# KiCad board pcb.kicad_pcb
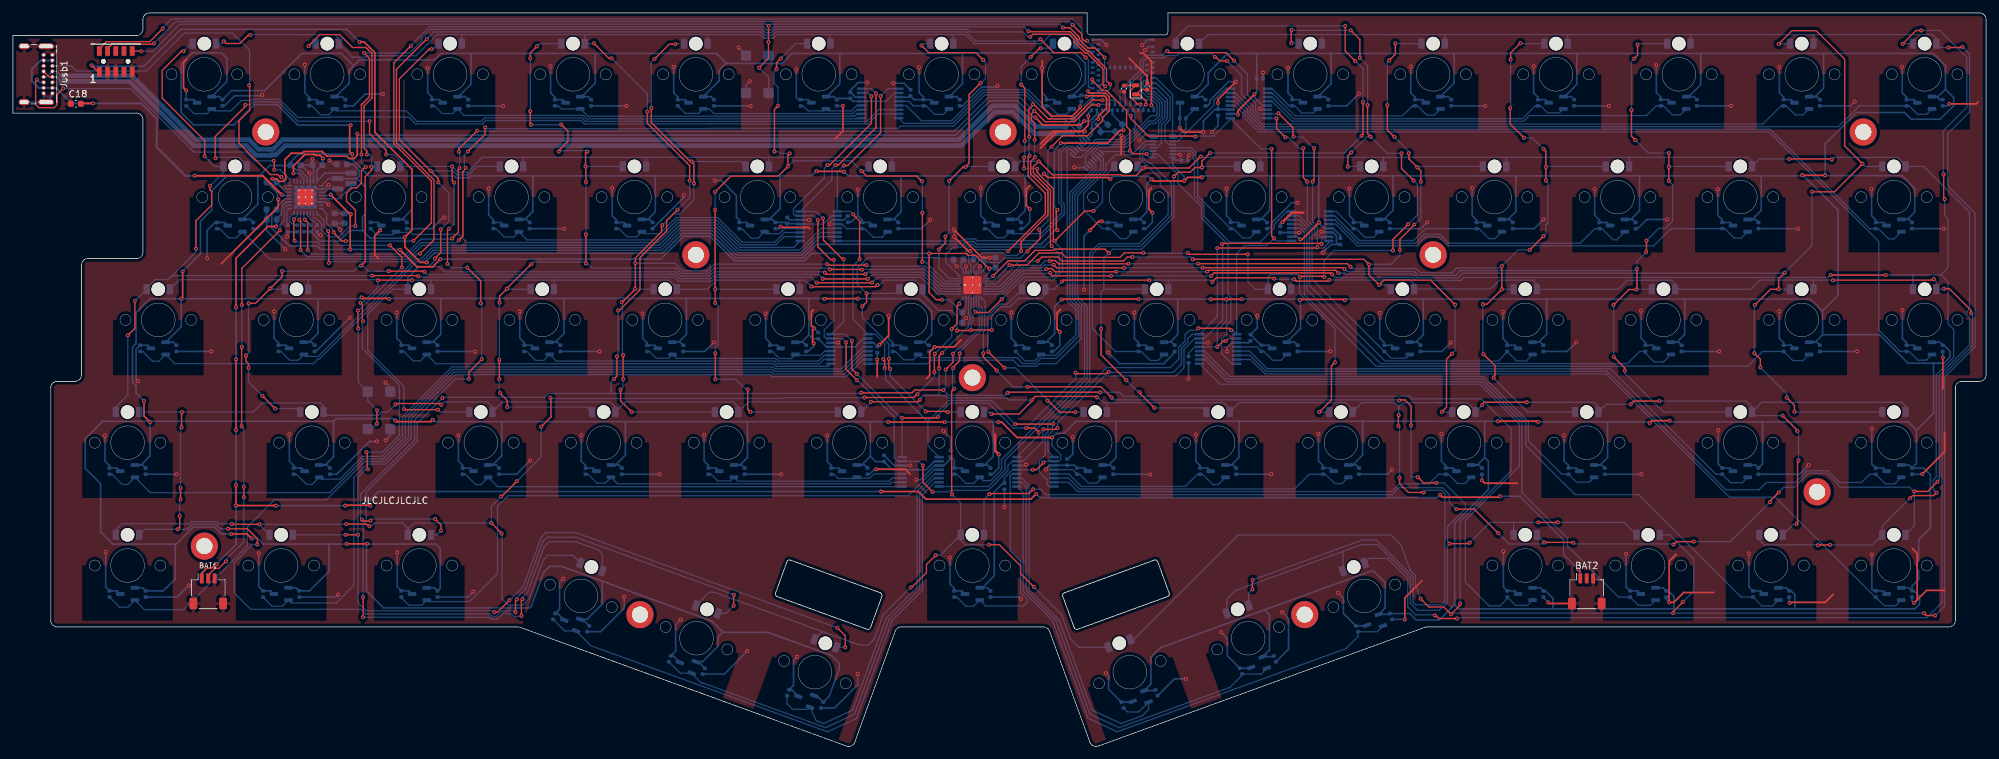
[diagram p0: board, top side]
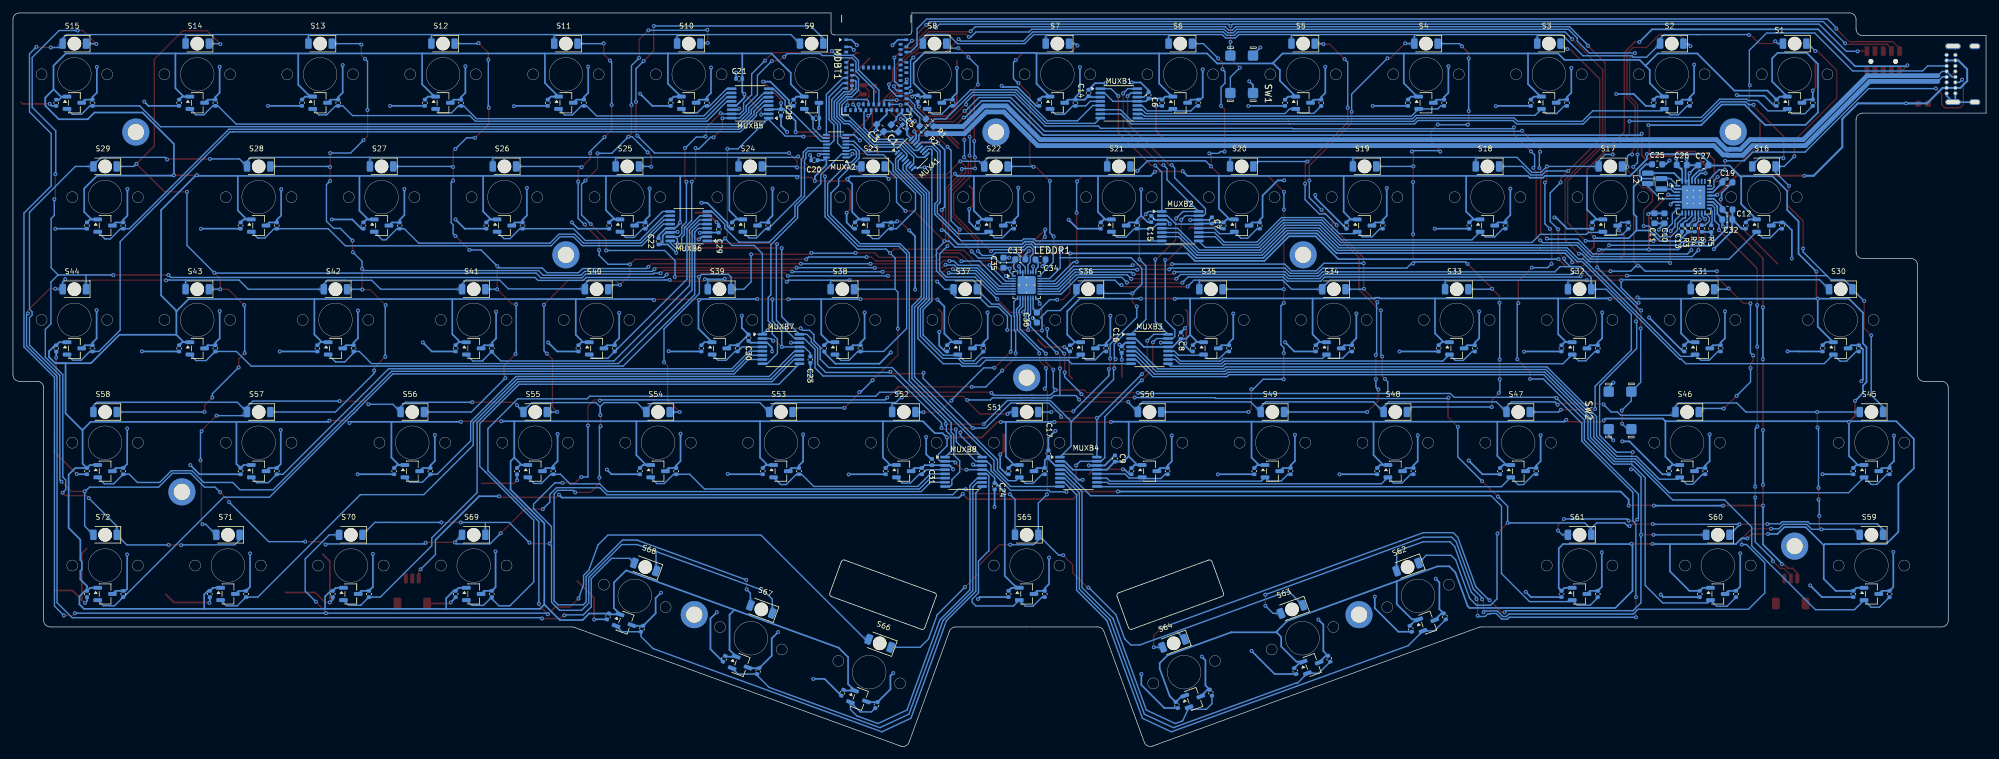
[diagram p1: board, bottom side, seen from below]

Outline 305.1 x 113.44 mm; copper layers: Top, Bottom. Coordinates in mm from the lower left corner of the outline.
Outline path: 0,109.94 19.1,109.94 arc(19.81,110.23) 20.1,110.94 20.1,112.44 arc(20.39,113.14) 21.1,113.44 166.1,113.44 166.1,110.54 arc(166.25,110.18) 166.6,110.04 178.1,110.04 arc(178.45,110.18) 178.6,110.54 178.6,113.44 304.1,113.44 arc(304.81,113.14) 305.1,112.44 305.1,57.44 arc(304.81,56.73) 304.1,56.44 301.35,56.44 arc(300.64,56.14) 300.35,55.44 300.35,19.44 arc(300.06,18.73) 299.35,18.44 218.64,18.44 arc(218.47,18.42) 218.3,18.38 167.82,0 arc(167.05,0.03) 166.53,0.6 160.28,17.78 arc(159.92,18.25) 159.34,18.44 137.36,18.44 arc(136.78,18.25) 136.42,17.78 130.17,0.6 arc(129.65,0.03) 128.88,0 78.4,18.38 arc(78.23,18.42) 78.06,18.44 6.85,18.44 arc(6.14,18.73) 5.85,19.44 5.85,55.44 arc(6.14,56.14) 6.85,56.44 9.6,56.44 arc(10.31,56.73) 10.6,57.44 10.6,74.44 arc(10.89,75.14) 11.6,75.44 19.1,75.44 arc(19.81,75.73) 20.1,76.44 20.1,96.94 arc(19.81,97.64) 19.1,97.94 0,97.94 0,109.94
Stack: Top 0.035mm / dielectric 1.51mm FR4 er 4.5 / Bottom 0.035mm

## Placement (name value [footprint] x y rotation side)
BAT1  ~  [JST_SH_SM03B-SRSS-TB_1x03-1MP_P1.00mm_Horizontal]  30.19 23.94 0 top
BAT2  ~  [JST_SH_SM03B-SRSS-TB_1x03-1MP_P1.00mm_Horizontal]  243.35 23.94 0 top
C1  10uF  [C_0603_1608Metric]  168.75 95.58 225 bottom
C2  12pF  [C_0402_1005Metric]  175.4 102.06 90 top
C3  10uF  [C_0603_1608Metric]  171 95.64 225 bottom
C4  12pF  [C_0402_1005Metric]  171.8 101.72 270 top
C5  .1uF  [C_0402_1005Metric]  167.2 95.84 225 bottom
C6  .1uF  [C_0402_1005Metric]  129.48 100.69 270 bottom
C7  .1uF  [C_0402_1005Metric]  119.71 81.33 270 bottom
C8  .1uF  [C_0402_1005Metric]  124.52 63.51 270 bottom
C9  .1uF  [C_0402_1005Metric]  134.7 44.5 270 bottom
C10  10uF  [C_0603_1608Metric]  49.73 81.65 270 bottom
C11  10uF  [C_0603_1608Metric]  51.28 81.66 270 bottom
C12  10uF  [C_0603_1608Metric]  39.99 83.02 180 bottom
C13  0.1uF  [C_0402_1005Metric]  47.03 80.11 90 bottom
C14  .1uF  [C_0402_1005Metric]  138.78 101.07 270 bottom
C15  .1uF  [C_0402_1005Metric]  129.09 81.55 270 bottom
C16  .1uF  [C_0402_1005Metric]  133.66 61.36 270 bottom
C17  .1uF  [C_0402_1005Metric]  144.99 45.25 270 bottom
C18  1uF  [C_0603_1608Metric]  9.72 99.38 180 top
C19  1uF  [C_0603_1608Metric]  39.98 87.23 180 bottom
C20  .1uF  [C_0402_1005Metric]  181.18 90.64 180 bottom
C21  .1uF  [C_0402_1005Metric]  192.8 103.26 180 bottom
C22  .1uF  [C_0402_1005Metric]  205.27 78.1 90 bottom
C23  .1uF  [C_0402_1005Metric]  181.79 59.8 90 bottom
C24  .1uF  [C_0402_1005Metric]  153.3 40.21 90 bottom
C25  10uF  [C_0603_1608Metric]  50.86 90.01 180 bottom
C26  10uF  [C_0603_1608Metric]  47.07 89.93 180 bottom
C27  2.2uF  [C_0603_1608Metric]  43.7 89.88 0 bottom
C28  .1uF  [C_0402_1005Metric]  186.34 98.05 270 bottom
C29  .1uF  [C_0402_1005Metric]  195.96 79.94 270 bottom
C30  .1uF  [C_0402_1005Metric]  191.36 63.2 270 bottom
C31  .1uF  [C_0402_1005Metric]  163 43.94 270 bottom
C32  2.2uF  [C_0603_1608Metric]  40.02 81.49 180 bottom
C33  1nF  [C_0603_1608Metric]  149.32 75.31 180 bottom
C34  1uF  [C_0603_1608Metric]  146.22 75.28 0 bottom
C35  1uF  [C_0603_1608Metric]  151.94 74.79 90 bottom
C36  1uF  [C_0603_1608Metric]  146.77 66.3 270 bottom
Cvcc1  0.1uF  [C_0402_1005Metric]  32.4 99.54 270 bottom
Cvcc2  0.1uF  [C_0402_1005Metric]  51.4 99.54 270 bottom
Cvcc3  0.1uF  [C_0402_1005Metric]  70.4 99.54 270 bottom
Cvcc4  0.1uF  [C_0402_1005Metric]  89.4 99.54 270 bottom
Cvcc5  0.1uF  [C_0402_1005Metric]  108.4 99.54 270 bottom
Cvcc6  0.1uF  [C_0402_1005Metric]  127.4 99.54 270 bottom
Cvcc7  0.1uF  [C_0402_1005Metric]  146.4 99.54 270 bottom
Cvcc8  0.1uF  [C_0402_1005Metric]  165.19 100.22 270 bottom
Cvcc9  0.1uF  [C_0402_1005Metric]  184.4 99.54 270 bottom
Cvcc10  0.1uF  [C_0402_1005Metric]  203.4 99.54 270 bottom
Cvcc11  0.1uF  [C_0402_1005Metric]  222.4 99.54 270 bottom
Cvcc12  0.1uF  [C_0402_1005Metric]  241.4 99.54 270 bottom
Cvcc13  0.1uF  [C_0402_1005Metric]  260.4 99.54 270 bottom
Cvcc14  0.1uF  [C_0402_1005Metric]  279.4 99.54 270 bottom
Cvcc15  0.1uF  [C_0402_1005Metric]  298.4 99.54 270 bottom
Cvcc16  0.1uF  [C_0402_1005Metric]  37.15 80.54 270 bottom
Cvcc17  0.1uF  [C_0402_1005Metric]  60.9 80.54 270 bottom
Cvcc18  0.1uF  [C_0402_1005Metric]  79.9 80.54 270 bottom
Cvcc19  0.1uF  [C_0402_1005Metric]  98.9 80.54 270 bottom
Cvcc20  0.1uF  [C_0402_1005Metric]  117.9 80.54 270 bottom
Cvcc21  0.1uF  [C_0402_1005Metric]  136.9 80.54 270 bottom
Cvcc22  0.1uF  [C_0402_1005Metric]  155.9 80.54 270 bottom
Cvcc23  0.1uF  [C_0402_1005Metric]  174.9 80.54 270 bottom
Cvcc24  0.1uF  [C_0402_1005Metric]  193.9 80.54 270 bottom
Cvcc25  0.1uF  [C_0402_1005Metric]  212.9 80.54 270 bottom
Cvcc26  0.1uF  [C_0402_1005Metric]  231.9 80.54 270 bottom
Cvcc27  0.1uF  [C_0402_1005Metric]  250.9 80.54 270 bottom
Cvcc28  0.1uF  [C_0402_1005Metric]  269.9 80.54 270 bottom
Cvcc29  0.1uF  [C_0402_1005Metric]  293.65 80.54 270 bottom
Cvcc30  0.1uF  [C_0402_1005Metric]  25.27 61.54 270 bottom
Cvcc31  0.1uF  [C_0402_1005Metric]  46.65 61.54 270 bottom
Cvcc32  0.1uF  [C_0402_1005Metric]  65.65 61.54 270 bottom
Cvcc33  0.1uF  [C_0402_1005Metric]  84.65 61.54 270 bottom
Cvcc34  0.1uF  [C_0402_1005Metric]  103.65 61.54 270 bottom
Cvcc35  0.1uF  [C_0402_1005Metric]  122.65 61.54 270 bottom
Cvcc36  0.1uF  [C_0402_1005Metric]  141.65 61.54 270 bottom
Cvcc37  0.1uF  [C_0402_1005Metric]  160.65 61.54 270 bottom
Cvcc38  0.1uF  [C_0402_1005Metric]  179.65 61.54 270 bottom
Cvcc39  0.1uF  [C_0402_1005Metric]  198.65 61.54 270 bottom
Cvcc40  0.1uF  [C_0402_1005Metric]  217.65 61.54 270 bottom
Cvcc41  0.1uF  [C_0402_1005Metric]  236.65 61.54 270 bottom
Cvcc42  0.1uF  [C_0402_1005Metric]  258.03 61.54 270 bottom
Cvcc43  0.1uF  [C_0402_1005Metric]  279.4 61.54 270 bottom
Cvcc44  0.1uF  [C_0402_1005Metric]  298.4 61.54 270 bottom
Cvcc45  0.1uF  [C_0402_1005Metric]  20.52 42.54 270 bottom
Cvcc46  0.1uF  [C_0402_1005Metric]  49.02 42.54 270 bottom
Cvcc47  0.1uF  [C_0402_1005Metric]  75.15 42.54 270 bottom
Cvcc48  0.1uF  [C_0402_1005Metric]  94.15 42.54 270 bottom
Cvcc49  0.1uF  [C_0402_1005Metric]  113.15 42.54 270 bottom
Cvcc50  0.1uF  [C_0402_1005Metric]  132.15 42.54 270 bottom
Cvcc51  0.1uF  [C_0402_1005Metric]  151.15 42.54 270 bottom
Cvcc52  0.1uF  [C_0402_1005Metric]  170.15 42.54 270 bottom
Cvcc53  0.1uF  [C_0402_1005Metric]  189.15 42.54 270 bottom
Cvcc54  0.1uF  [C_0402_1005Metric]  208.15 42.54 270 bottom
Cvcc55  0.1uF  [C_0402_1005Metric]  227.15 42.54 270 bottom
Cvcc56  0.1uF  [C_0402_1005Metric]  246.15 42.54 270 bottom
Cvcc57  0.1uF  [C_0402_1005Metric]  269.9 42.54 270 bottom
Cvcc58  0.1uF  [C_0402_1005Metric]  293.65 42.54 270 bottom
Cvcc59  0.1uF  [C_0402_1005Metric]  20.52 23.54 270 bottom
Cvcc60  0.1uF  [C_0402_1005Metric]  44.27 23.54 270 bottom
Cvcc61  0.1uF  [C_0402_1005Metric]  65.65 23.54 270 bottom
Cvcc62  0.1uF  [C_0402_1005Metric]  88.95 18.14 250 bottom
Cvcc63  0.1uF  [C_0402_1005Metric]  106.83 11.59 250 bottom
Cvcc64  0.1uF  [C_0402_1005Metric]  125.13 6.34 250 bottom
Cvcc65  0.1uF  [C_0402_1005Metric]  151.15 23.54 270 bottom
Cvcc66  0.1uF  [C_0402_1005Metric]  176.84 8.26 290 bottom
Cvcc67  0.1uF  [C_0402_1005Metric]  195.14 13.51 290 bottom
Cvcc68  0.1uF  [C_0402_1005Metric]  213.09 20.06 290 bottom
Cvcc69  0.1uF  [C_0402_1005Metric]  236.65 23.54 270 bottom
Cvcc70  0.1uF  [C_0402_1005Metric]  255.65 23.54 270 bottom
Cvcc71  0.1uF  [C_0402_1005Metric]  274.65 23.54 270 bottom
Cvcc72  0.1uF  [C_0402_1005Metric]  293.65 23.54 270 bottom
Cvout1  0.1nF  [C_0402_1005Metric]  26.8 99.54 90 bottom
Cvout2  0.1nF  [C_0402_1005Metric]  45.8 99.54 90 bottom
Cvout3  0.1nF  [C_0402_1005Metric]  64.8 99.54 90 bottom
Cvout4  0.1nF  [C_0402_1005Metric]  83.8 99.54 90 bottom
Cvout5  0.1nF  [C_0402_1005Metric]  102.8 99.54 90 bottom
Cvout6  0.1nF  [C_0402_1005Metric]  121.8 99.54 90 bottom
Cvout7  0.1nF  [C_0402_1005Metric]  140.8 99.54 90 bottom
Cvout8  0.1nF  [C_0402_1005Metric]  159.8 99.54 90 bottom
Cvout9  0.1nF  [C_0402_1005Metric]  180.9 97.14 180 bottom
Cvout10  0.1nF  [C_0402_1005Metric]  197.8 99.54 90 bottom
Cvout11  0.1nF  [C_0402_1005Metric]  216.8 99.54 90 bottom
Cvout12  0.1nF  [C_0402_1005Metric]  235.8 99.54 90 bottom
Cvout13  0.1nF  [C_0402_1005Metric]  254.8 99.54 90 bottom
Cvout14  0.1nF  [C_0402_1005Metric]  273.8 99.54 90 bottom
Cvout15  0.1nF  [C_0402_1005Metric]  292.8 99.54 90 bottom
Cvout16  0.1nF  [C_0402_1005Metric]  31.55 80.54 90 bottom
Cvout17  0.1nF  [C_0402_1005Metric]  55.3 80.54 90 bottom
Cvout18  0.1nF  [C_0402_1005Metric]  74.3 80.54 90 bottom
Cvout19  0.1nF  [C_0402_1005Metric]  93.3 80.54 90 bottom
Cvout20  0.1nF  [C_0402_1005Metric]  112.3 80.54 90 bottom
Cvout21  0.1nF  [C_0402_1005Metric]  131.3 80.54 90 bottom
Cvout22  0.1nF  [C_0402_1005Metric]  150.3 80.54 90 bottom
Cvout23  0.1nF  [C_0402_1005Metric]  169.3 80.54 90 bottom
Cvout24  0.1nF  [C_0402_1005Metric]  188.3 80.54 90 bottom
Cvout25  0.1nF  [C_0402_1005Metric]  207.3 80.54 90 bottom
Cvout26  0.1nF  [C_0402_1005Metric]  226.3 80.54 90 bottom
Cvout27  0.1nF  [C_0402_1005Metric]  245.3 80.54 90 bottom
Cvout28  0.1nF  [C_0402_1005Metric]  264.3 80.54 90 bottom
Cvout29  0.1nF  [C_0402_1005Metric]  288.05 80.54 90 bottom
Cvout30  0.1nF  [C_0402_1005Metric]  19.67 61.54 90 bottom
Cvout31  0.1nF  [C_0402_1005Metric]  41.05 61.54 90 bottom
Cvout32  0.1nF  [C_0402_1005Metric]  60.05 61.54 90 bottom
Cvout33  0.1nF  [C_0402_1005Metric]  79.05 61.54 90 bottom
Cvout34  0.1nF  [C_0402_1005Metric]  98.05 61.54 90 bottom
Cvout35  0.1nF  [C_0402_1005Metric]  117.05 61.54 90 bottom
Cvout36  0.1nF  [C_0402_1005Metric]  136.05 61.54 90 bottom
Cvout37  0.1nF  [C_0402_1005Metric]  155.05 61.54 90 bottom
Cvout38  0.1nF  [C_0402_1005Metric]  174.05 61.54 90 bottom
Cvout39  0.1nF  [C_0402_1005Metric]  193.05 61.54 90 bottom
Cvout40  0.1nF  [C_0402_1005Metric]  212.05 61.54 90 bottom
Cvout41  0.1nF  [C_0402_1005Metric]  231.05 61.54 90 bottom
Cvout42  0.1nF  [C_0402_1005Metric]  252.42 61.54 90 bottom
Cvout43  0.1nF  [C_0402_1005Metric]  273.8 61.54 90 bottom
Cvout44  0.1nF  [C_0402_1005Metric]  292.8 61.54 90 bottom
Cvout45  0.1nF  [C_0402_1005Metric]  14.93 42.54 90 bottom
Cvout46  0.1nF  [C_0402_1005Metric]  43.43 42.54 90 bottom
Cvout47  0.1nF  [C_0402_1005Metric]  69.55 42.54 90 bottom
Cvout48  0.1nF  [C_0402_1005Metric]  88.55 42.54 90 bottom
Cvout49  0.1nF  [C_0402_1005Metric]  107.55 42.54 90 bottom
Cvout50  0.1nF  [C_0402_1005Metric]  126.55 42.54 90 bottom
Cvout51  0.1nF  [C_0402_1005Metric]  145.55 42.54 90 bottom
Cvout52  0.1nF  [C_0402_1005Metric]  164.55 42.54 90 bottom
Cvout53  0.1nF  [C_0402_1005Metric]  183.55 42.54 90 bottom
Cvout54  0.1nF  [C_0402_1005Metric]  202.55 42.54 90 bottom
Cvout55  0.1nF  [C_0402_1005Metric]  221.55 42.54 90 bottom
Cvout56  0.1nF  [C_0402_1005Metric]  240.55 42.54 90 bottom
Cvout57  0.1nF  [C_0402_1005Metric]  264.3 42.54 90 bottom
Cvout58  0.1nF  [C_0402_1005Metric]  288.05 42.54 90 bottom
Cvout59  0.1nF  [C_0402_1005Metric]  14.93 23.54 90 bottom
Cvout60  0.1nF  [C_0402_1005Metric]  38.67 23.54 90 bottom
Cvout61  0.1nF  [C_0402_1005Metric]  60.05 23.54 90 bottom
Cvout62  0.1nF  [C_0402_1005Metric]  83.69 20.06 70 bottom
Cvout63  0.1nF  [C_0402_1005Metric]  101.56 13.51 70 bottom
Cvout64  0.1nF  [C_0402_1005Metric]  119.86 8.26 70 bottom
Cvout65  0.1nF  [C_0402_1005Metric]  145.55 23.54 90 bottom
Cvout66  0.1nF  [C_0402_1005Metric]  171.57 6.34 110 bottom
Cvout67  0.1nF  [C_0402_1005Metric]  189.87 11.59 110 bottom
Cvout68  0.1nF  [C_0402_1005Metric]  207.82 18.14 110 bottom
Cvout69  0.1nF  [C_0402_1005Metric]  231.05 23.54 90 bottom
Cvout70  0.1nF  [C_0402_1005Metric]  250.05 23.54 90 bottom
Cvout71  0.1nF  [C_0402_1005Metric]  269.05 23.54 90 bottom
Cvout72  0.1nF  [C_0402_1005Metric]  288.05 23.54 90 bottom
D1  Green LED  [LED_1206_3216Metric_ReverseMount_Hole2.1mm]  29.6 108.69 0 bottom
D2  Green LED  [LED_1206_3216Metric_ReverseMount_Hole2.1mm]  48.6 108.69 0 bottom
D3  Green LED  [LED_1206_3216Metric_ReverseMount_Hole2.1mm]  67.6 108.69 0 bottom
D4  Green LED  [LED_1206_3216Metric_ReverseMount_Hole2.1mm]  86.6 108.69 0 bottom
D5  Green LED  [LED_1206_3216Metric_ReverseMount_Hole2.1mm]  105.6 108.69 0 bottom
D6  Green LED  [LED_1206_3216Metric_ReverseMount_Hole2.1mm]  124.6 108.69 0 bottom
D7  Green LED  [LED_1206_3216Metric_ReverseMount_Hole2.1mm]  143.6 108.69 0 bottom
D8  Green LED  [LED_1206_3216Metric_ReverseMount_Hole2.1mm]  162.6 108.69 0 bottom
D9  Green LED  [LED_1206_3216Metric_ReverseMount_Hole2.1mm]  181.6 108.69 0 bottom
D10  Green LED  [LED_1206_3216Metric_ReverseMount_Hole2.1mm]  200.6 108.69 0 bottom
D11  Green LED  [LED_1206_3216Metric_ReverseMount_Hole2.1mm]  219.6 108.69 0 bottom
D12  Green LED  [LED_1206_3216Metric_ReverseMount_Hole2.1mm]  238.6 108.69 0 bottom
D13  Green LED  [LED_1206_3216Metric_ReverseMount_Hole2.1mm]  257.6 108.69 0 bottom
D14  Green LED  [LED_1206_3216Metric_ReverseMount_Hole2.1mm]  276.6 108.69 0 bottom
D15  Green LED  [LED_1206_3216Metric_ReverseMount_Hole2.1mm]  295.6 108.69 0 bottom
D16  Green LED  [LED_1206_3216Metric_ReverseMount_Hole2.1mm]  34.35 89.69 0 bottom
D17  Green LED  [LED_1206_3216Metric_ReverseMount_Hole2.1mm]  58.1 89.69 0 bottom
D18  Green LED  [LED_1206_3216Metric_ReverseMount_Hole2.1mm]  77.1 89.69 0 bottom
D19  Green LED  [LED_1206_3216Metric_ReverseMount_Hole2.1mm]  96.1 89.69 0 bottom
D20  Green LED  [LED_1206_3216Metric_ReverseMount_Hole2.1mm]  115.1 89.69 0 bottom
D21  Green LED  [LED_1206_3216Metric_ReverseMount_Hole2.1mm]  134.1 89.69 0 bottom
D22  Green LED  [LED_1206_3216Metric_ReverseMount_Hole2.1mm]  153.1 89.69 0 bottom
D23  Green LED  [LED_1206_3216Metric_ReverseMount_Hole2.1mm]  172.1 89.69 0 bottom
D24  Green LED  [LED_1206_3216Metric_ReverseMount_Hole2.1mm]  191.1 89.69 0 bottom
D25  Green LED  [LED_1206_3216Metric_ReverseMount_Hole2.1mm]  210.1 89.69 0 bottom
D26  Green LED  [LED_1206_3216Metric_ReverseMount_Hole2.1mm]  229.1 89.69 0 bottom
D27  Green LED  [LED_1206_3216Metric_ReverseMount_Hole2.1mm]  248.1 89.69 0 bottom
D28  Green LED  [LED_1206_3216Metric_ReverseMount_Hole2.1mm]  267.1 89.69 0 bottom
D29  Green LED  [LED_1206_3216Metric_ReverseMount_Hole2.1mm]  290.85 89.69 0 bottom
D30  Green LED  [LED_1206_3216Metric_ReverseMount_Hole2.1mm]  22.48 70.69 0 bottom
D31  Green LED  [LED_1206_3216Metric_ReverseMount_Hole2.1mm]  43.85 70.69 0 bottom
D32  Green LED  [LED_1206_3216Metric_ReverseMount_Hole2.1mm]  62.85 70.69 0 bottom
D33  Green LED  [LED_1206_3216Metric_ReverseMount_Hole2.1mm]  81.85 70.69 0 bottom
D34  Green LED  [LED_1206_3216Metric_ReverseMount_Hole2.1mm]  100.85 70.69 0 bottom
D35  Green LED  [LED_1206_3216Metric_ReverseMount_Hole2.1mm]  119.85 70.69 0 bottom
D36  Green LED  [LED_1206_3216Metric_ReverseMount_Hole2.1mm]  138.85 70.69 0 bottom
D37  Green LED  [LED_1206_3216Metric_ReverseMount_Hole2.1mm]  157.85 70.69 0 bottom
D38  Green LED  [LED_1206_3216Metric_ReverseMount_Hole2.1mm]  176.85 70.69 0 bottom
D39  Green LED  [LED_1206_3216Metric_ReverseMount_Hole2.1mm]  195.85 70.69 0 bottom
D40  Green LED  [LED_1206_3216Metric_ReverseMount_Hole2.1mm]  214.85 70.69 0 bottom
D41  Green LED  [LED_1206_3216Metric_ReverseMount_Hole2.1mm]  233.85 70.69 0 bottom
D42  Green LED  [LED_1206_3216Metric_ReverseMount_Hole2.1mm]  255.22 70.69 0 bottom
D43  Green LED  [LED_1206_3216Metric_ReverseMount_Hole2.1mm]  276.6 70.69 0 bottom
D44  Green LED  [LED_1206_3216Metric_ReverseMount_Hole2.1mm]  295.6 70.69 0 bottom
D45  Green LED  [LED_1206_3216Metric_ReverseMount_Hole2.1mm]  17.73 51.69 0 bottom
D46  Green LED  [LED_1206_3216Metric_ReverseMount_Hole2.1mm]  46.23 51.69 0 bottom
D47  Green LED  [LED_1206_3216Metric_ReverseMount_Hole2.1mm]  72.35 51.69 0 bottom
D48  Green LED  [LED_1206_3216Metric_ReverseMount_Hole2.1mm]  91.35 51.69 0 bottom
D49  Green LED  [LED_1206_3216Metric_ReverseMount_Hole2.1mm]  110.35 51.69 0 bottom
D50  Green LED  [LED_1206_3216Metric_ReverseMount_Hole2.1mm]  129.35 51.69 0 bottom
D51  Green LED  [LED_1206_3216Metric_ReverseMount_Hole2.1mm]  148.35 51.69 0 bottom
D52  Green LED  [LED_1206_3216Metric_ReverseMount_Hole2.1mm]  167.35 51.69 0 bottom
D53  Green LED  [LED_1206_3216Metric_ReverseMount_Hole2.1mm]  186.35 51.69 0 bottom
D54  Green LED  [LED_1206_3216Metric_ReverseMount_Hole2.1mm]  205.35 51.69 0 bottom
D55  Green LED  [LED_1206_3216Metric_ReverseMount_Hole2.1mm]  224.35 51.69 0 bottom
D56  Green LED  [LED_1206_3216Metric_ReverseMount_Hole2.1mm]  243.35 51.69 0 bottom
D57  Green LED  [LED_1206_3216Metric_ReverseMount_Hole2.1mm]  267.1 51.69 0 bottom
D58  Green LED  [LED_1206_3216Metric_ReverseMount_Hole2.1mm]  290.85 51.69 0 bottom
D59  Green LED  [LED_1206_3216Metric_ReverseMount_Hole2.1mm]  17.73 32.69 0 bottom
D60  Green LED  [LED_1206_3216Metric_ReverseMount_Hole2.1mm]  41.48 32.69 0 bottom
D61  Green LED  [LED_1206_3216Metric_ReverseMount_Hole2.1mm]  62.85 32.69 0 bottom
D62  Green LED  [LED_1206_3216Metric_ReverseMount_Hole2.1mm]  89.45 27.7 340 bottom
D63  Green LED  [LED_1206_3216Metric_ReverseMount_Hole2.1mm]  107.32 21.15 340 bottom
D64  Green LED  [LED_1206_3216Metric_ReverseMount_Hole2.1mm]  125.62 15.9 340 bottom
D65  Green LED  [LED_1206_3216Metric_ReverseMount_Hole2.1mm]  148.35 32.69 0 bottom
D66  Green LED  [LED_1206_3216Metric_ReverseMount_Hole2.1mm]  171.08 15.9 20 bottom
D67  Green LED  [LED_1206_3216Metric_ReverseMount_Hole2.1mm]  189.38 21.15 20 bottom
D68  Green LED  [LED_1206_3216Metric_ReverseMount_Hole2.1mm]  207.33 27.7 20 bottom
D69  Green LED  [LED_1206_3216Metric_ReverseMount_Hole2.1mm]  233.85 32.69 0 bottom
D70  Green LED  [LED_1206_3216Metric_ReverseMount_Hole2.1mm]  252.85 32.69 0 bottom
D71  Green LED  [LED_1206_3216Metric_ReverseMount_Hole2.1mm]  271.85 32.69 0 bottom
D72  Green LED  [LED_1206_3216Metric_ReverseMount_Hole2.1mm]  290.85 32.69 0 bottom
Hs1  M2_Pad  [SMTSO_M1.6]  39.1 95.01 0 top
Hs2  M2_Pad  [SMTSO_M1.6]  153.1 95.01 0 top
Hs3  M2_Pad  [SMTSO_M1.6]  286.1 95.01 0 top
Hs4  M2_Pad  [SMTSO_M1.6]  29.6 30.94 0 top
Hs5  M2_Pad  [SMTSO_M1.6]  148.35 57.01 0 top
Hs6  M2_Pad  [SMTSO_M1.6]  96.95 20.34 0 top
Hs7  M2_Pad  [SMTSO_M1.6]  199.75 20.34 0 top
Hs8  M2_Pad  [SMTSO_M1.6]  105.6 76.01 0 top
Hs9  M2_Pad  [SMTSO_M1.6]  219.6 76.01 0 top
Hs10  M2_Pad  [SMTSO_M1.6]  278.98 39.34 0 top
JLC1  -  [JLC_Order_Num]  59.17 37.89 0 top
JTAG1  Conn_ARM_JTAG_SWD_10  [SAMTEC-CLP-105-02-X-D-A]  15.9 105.94 0 top
Jusb1  USB_TYPE_C_Receptacle_16P  [USB_C_Receptacle_GCT_USB4085]  6.1 106.94 270 top
L1  2.2uH  [L_Samsung_CIGT201610EH2R2MNE]  50.21 87.01 270 bottom
L2  2.2uH  [L_Samsung_CIGT201610EH2R2MNE]  52.31 87.85 270 bottom
LEDDR1  LP5864  [LP5864-VQFN-32-1EP_4x4mm_P0.4mm_EP2.8x2.8mm_ThermalVias]  148.35 71.34 180 bottom
MDBT1  ~  [Raytac_MDBT50Q]  171.6 105.54 180 bottom
MUXA1  TMUX1574DYY  [Texas_DYY0016A_TSOT-23-16_2x4.2mm_P0.5mm]  166.04 91.67 135 bottom
MUXA2  TMUX1574DYY  [Texas_DYY0016A_TSOT-23-16_2x4.2mm_P0.5mm]  177.82 92.83 0 bottom
MUXB1  TMUX1108PW  [TSSOP-16_4.4x5mm_P0.65mm]  134.1 99.44 180 bottom
MUXB2  TMUX1108PW  [TSSOP-16_4.4x5mm_P0.65mm]  124.6 80.44 180 bottom
MUXB3  TMUX1108PW  [TSSOP-16_4.4x5mm_P0.65mm]  129.35 61.44 180 bottom
MUXB4  TMUX1108PW  [TSSOP-16_4.4x5mm_P0.65mm]  140.35 42.44 180 bottom
MUXB5  TMUX1108PW  [TSSOP-16_4.4x5mm_P0.65mm]  191.1 99.44 0 bottom
MUXB6  TMUX1108PW  [TSSOP-16_4.4x5mm_P0.65mm]  200.6 80.44 0 bottom
MUXB7  TMUX1108PW  [TSSOP-16_4.4x5mm_P0.65mm]  186.35 61.44 180 bottom
MUXB8  TMUX1108PW  [TSSOP-16_4.4x5mm_P0.65mm]  158.1 42.44 180 bottom
PMIC1  nPM1300-QEXX  [QFN-32-1EP_5x5mm_P0.5mm_EP3.6x3.6mm_ThermalVias]  45.23 84.94 180 bottom
R1  27R  [R_0603_1608Metric]  163.32 96.45 225 bottom
R2  27R  [R_0603_1608Metric]  164.3 95.34 225 bottom
R3  10k  [R_0402_1005Metric]  45.04 80.1 90 bottom
R4  10k  [R_0402_1005Metric]  46.05 80.1 90 bottom
R5  47k  [R_0402_1005Metric]  42.49 80.07 90 bottom
R6  47k  [R_0402_1005Metric]  43.96 80.09 90 bottom
S1  Switch  [Gateron_Switch_Lowpro]  29.6 103.94 0 top
S2  Switch  [Gateron_Switch_Lowpro]  48.6 103.94 0 top
S3  Switch  [Gateron_Switch_Lowpro]  67.6 103.94 0 top
S4  Switch  [Gateron_Switch_Lowpro]  86.6 103.94 0 top
S5  Switch  [Gateron_Switch_Lowpro]  105.6 103.94 0 top
S6  Switch  [Gateron_Switch_Lowpro]  124.6 103.94 0 top
S7  Switch  [Gateron_Switch_Lowpro]  143.6 103.94 0 top
S8  Switch  [Gateron_Switch_Lowpro]  162.6 103.94 0 top
S9  Switch  [Gateron_Switch_Lowpro]  181.6 103.94 0 top
S10  Switch  [Gateron_Switch_Lowpro]  200.6 103.94 0 top
S11  Switch  [Gateron_Switch_Lowpro]  219.6 103.94 0 top
S12  Switch  [Gateron_Switch_Lowpro]  238.6 103.94 0 top
S13  Switch  [Gateron_Switch_Lowpro]  257.6 103.94 0 top
S14  Switch  [Gateron_Switch_Lowpro]  276.6 103.94 0 top
S15  Switch  [Gateron_Switch_Lowpro]  295.6 103.94 0 top
S16  Switch  [Gateron_Switch_Lowpro]  34.35 84.94 0 top
S17  Switch  [Gateron_Switch_Lowpro]  58.1 84.94 0 top
S18  Switch  [Gateron_Switch_Lowpro]  77.1 84.94 0 top
S19  Switch  [Gateron_Switch_Lowpro]  96.1 84.94 0 top
S20  Switch  [Gateron_Switch_Lowpro]  115.1 84.94 0 top
S21  Switch  [Gateron_Switch_Lowpro]  134.1 84.94 0 top
S22  Switch  [Gateron_Switch_Lowpro]  153.1 84.94 0 top
S23  Switch  [Gateron_Switch_Lowpro]  172.1 84.94 0 top
S24  Switch  [Gateron_Switch_Lowpro]  191.1 84.94 0 top
S25  Switch  [Gateron_Switch_Lowpro]  210.1 84.94 0 top
S26  Switch  [Gateron_Switch_Lowpro]  229.1 84.94 0 top
S27  Switch  [Gateron_Switch_Lowpro]  248.1 84.94 0 top
S28  Switch  [Gateron_Switch_Lowpro]  267.1 84.94 0 top
S29  Switch  [Gateron_Switch_Lowpro]  290.85 84.94 0 top
S30  Switch  [Gateron_Switch_Lowpro]  22.48 65.94 0 top
S31  Switch  [Gateron_Switch_Lowpro]  43.85 65.94 0 top
S32  Switch  [Gateron_Switch_Lowpro]  62.85 65.94 0 top
S33  Switch  [Gateron_Switch_Lowpro]  81.85 65.94 0 top
S34  Switch  [Gateron_Switch_Lowpro]  100.85 65.94 0 top
S35  Switch  [Gateron_Switch_Lowpro]  119.85 65.94 0 top
S36  Switch  [Gateron_Switch_Lowpro]  138.85 65.94 0 top
S37  Switch  [Gateron_Switch_Lowpro]  157.85 65.94 0 top
S38  Switch  [Gateron_Switch_Lowpro]  176.85 65.94 0 top
S39  Switch  [Gateron_Switch_Lowpro]  195.85 65.94 0 top
S40  Switch  [Gateron_Switch_Lowpro]  214.85 65.94 0 top
S41  Switch  [Gateron_Switch_Lowpro]  233.85 65.94 0 top
S42  Switch  [Gateron_Switch_Lowpro]  255.22 65.94 0 top
S43  Switch  [Gateron_Switch_Lowpro]  276.6 65.94 0 top
S44  Switch  [Gateron_Switch_Lowpro]  295.6 65.94 0 top
S45  Switch  [Gateron_Switch_Lowpro]  17.73 46.94 0 top
S46  Switch  [Gateron_Switch_Lowpro]  46.23 46.94 0 top
S47  Switch  [Gateron_Switch_Lowpro]  72.35 46.94 0 top
S48  Switch  [Gateron_Switch_Lowpro]  91.35 46.94 0 top
S49  Switch  [Gateron_Switch_Lowpro]  110.35 46.94 0 top
S50  Switch  [Gateron_Switch_Lowpro]  129.35 46.94 0 top
S51  Switch  [Gateron_Switch_Lowpro]  148.35 46.94 0 top
S52  Switch  [Gateron_Switch_Lowpro]  167.35 46.94 0 top
S53  Switch  [Gateron_Switch_Lowpro]  186.35 46.94 0 top
S54  Switch  [Gateron_Switch_Lowpro]  205.35 46.94 0 top
S55  Switch  [Gateron_Switch_Lowpro]  224.35 46.94 0 top
S56  Switch  [Gateron_Switch_Lowpro]  243.35 46.94 0 top
S57  Switch  [Gateron_Switch_Lowpro]  267.1 46.94 0 top
S58  Switch  [Gateron_Switch_Lowpro]  290.85 46.94 0 top
S59  Switch  [Gateron_Switch_Lowpro]  17.73 27.94 0 top
S60  Switch  [Gateron_Switch_Lowpro]  41.48 27.94 0 top
S61  Switch  [Gateron_Switch_Lowpro]  62.85 27.94 0 top
S62  Switch  [Gateron_Switch_Lowpro]  87.82 23.24 340 top
S63  Switch  [Gateron_Switch_Lowpro]  105.7 16.69 340 top
S64  Switch  [Gateron_Switch_Lowpro]  124 11.44 340 top
S65  Switch  [Gateron_Switch_Lowpro]  148.35 27.94 0 top
S66  Switch  [Gateron_Switch_Lowpro]  172.7 11.44 20 top
S67  Switch  [Gateron_Switch_Lowpro]  191 16.69 20 top
S68  Switch  [Gateron_Switch_Lowpro]  208.95 23.24 20 top
S69  Switch  [Gateron_Switch_Lowpro]  233.85 27.94 0 top
S70  Switch  [Gateron_Switch_Lowpro]  252.85 27.94 0 top
S71  Switch  [Gateron_Switch_Lowpro]  271.85 27.94 0 top
S72  Switch  [Gateron_Switch_Lowpro]  290.85 27.94 0 top
Stb1  TMR_switch_stab_2.0u  [Stabilizer_Lowpro_2U]  124 11.44 70 top
Stb2  TMR_switch_stab_2.0u  [Stabilizer_Lowpro_2U]  172.7 11.44 290 top
SW1  SW_DIP_x01  [Aliexpress_SW_TACT_4x4x1.5mm]  115.1 103.94 270 bottom
SW2  SW_DIP_x01  [Aliexpress_SW_TACT_4x4x1.5mm]  56.6 51.94 90 bottom
TMR1  TMR2617  [SOT-23-3]  29.6 99.54 180 bottom
TMR2  TMR2617  [SOT-23-3]  48.6 99.54 180 bottom
TMR3  TMR2617  [SOT-23-3]  67.6 99.54 180 bottom
TMR4  TMR2617  [SOT-23-3]  86.6 99.54 180 bottom
TMR5  TMR2617  [SOT-23-3]  105.6 99.54 180 bottom
TMR6  TMR2617  [SOT-23-3]  124.6 99.54 180 bottom
TMR7  TMR2617  [SOT-23-3]  143.6 99.54 180 bottom
TMR8  TMR2617  [SOT-23-3]  162.6 99.54 180 bottom
TMR9  TMR2617  [SOT-23-3]  181.6 99.54 180 bottom
TMR10  TMR2617  [SOT-23-3]  200.6 99.54 180 bottom
TMR11  TMR2617  [SOT-23-3]  219.6 99.54 180 bottom
TMR12  TMR2617  [SOT-23-3]  238.6 99.54 180 bottom
TMR13  TMR2617  [SOT-23-3]  257.6 99.54 180 bottom
TMR14  TMR2617  [SOT-23-3]  276.6 99.54 180 bottom
TMR15  TMR2617  [SOT-23-3]  295.6 99.54 180 bottom
TMR16  TMR2617  [SOT-23-3]  34.35 80.54 180 bottom
TMR17  TMR2617  [SOT-23-3]  58.1 80.54 180 bottom
TMR18  TMR2617  [SOT-23-3]  77.1 80.54 180 bottom
TMR19  TMR2617  [SOT-23-3]  96.1 80.54 180 bottom
TMR20  TMR2617  [SOT-23-3]  115.1 80.54 180 bottom
TMR21  TMR2617  [SOT-23-3]  134.1 80.54 180 bottom
TMR22  TMR2617  [SOT-23-3]  153.1 80.54 180 bottom
TMR23  TMR2617  [SOT-23-3]  172.1 80.54 180 bottom
TMR24  TMR2617  [SOT-23-3]  191.1 80.54 180 bottom
TMR25  TMR2617  [SOT-23-3]  210.1 80.54 180 bottom
TMR26  TMR2617  [SOT-23-3]  229.1 80.54 180 bottom
TMR27  TMR2617  [SOT-23-3]  248.1 80.54 180 bottom
TMR28  TMR2617  [SOT-23-3]  267.1 80.54 180 bottom
TMR29  TMR2617  [SOT-23-3]  290.85 80.54 180 bottom
TMR30  TMR2617  [SOT-23-3]  22.48 61.54 180 bottom
TMR31  TMR2617  [SOT-23-3]  43.85 61.54 180 bottom
TMR32  TMR2617  [SOT-23-3]  62.85 61.54 180 bottom
TMR33  TMR2617  [SOT-23-3]  81.85 61.54 180 bottom
TMR34  TMR2617  [SOT-23-3]  100.85 61.54 180 bottom
TMR35  TMR2617  [SOT-23-3]  119.85 61.54 180 bottom
TMR36  TMR2617  [SOT-23-3]  138.85 61.54 180 bottom
TMR37  TMR2617  [SOT-23-3]  157.85 61.54 180 bottom
TMR38  TMR2617  [SOT-23-3]  176.85 61.54 180 bottom
TMR39  TMR2617  [SOT-23-3]  195.85 61.54 180 bottom
TMR40  TMR2617  [SOT-23-3]  214.85 61.54 180 bottom
TMR41  TMR2617  [SOT-23-3]  233.85 61.54 180 bottom
TMR42  TMR2617  [SOT-23-3]  255.22 61.54 180 bottom
TMR43  TMR2617  [SOT-23-3]  276.6 61.54 180 bottom
TMR44  TMR2617  [SOT-23-3]  295.6 61.54 180 bottom
TMR45  TMR2617  [SOT-23-3]  17.73 42.54 180 bottom
TMR46  TMR2617  [SOT-23-3]  46.23 42.54 180 bottom
TMR47  TMR2617  [SOT-23-3]  72.35 42.54 180 bottom
TMR48  TMR2617  [SOT-23-3]  91.35 42.54 180 bottom
TMR49  TMR2617  [SOT-23-3]  110.35 42.54 180 bottom
TMR50  TMR2617  [SOT-23-3]  129.35 42.54 180 bottom
TMR51  TMR2617  [SOT-23-3]  148.35 42.54 180 bottom
TMR52  TMR2617  [SOT-23-3]  167.35 42.54 180 bottom
TMR53  TMR2617  [SOT-23-3]  186.35 42.54 180 bottom
TMR54  TMR2617  [SOT-23-3]  205.35 42.54 180 bottom
TMR55  TMR2617  [SOT-23-3]  224.35 42.54 180 bottom
TMR56  TMR2617  [SOT-23-3]  243.35 42.54 180 bottom
TMR57  TMR2617  [SOT-23-3]  267.1 42.54 180 bottom
TMR58  TMR2617  [SOT-23-3]  290.85 42.54 180 bottom
TMR59  TMR2617  [SOT-23-3]  17.73 23.54 180 bottom
TMR60  TMR2617  [SOT-23-3]  41.48 23.54 180 bottom
TMR61  TMR2617  [SOT-23-3]  62.85 23.54 180 bottom
TMR62  TMR2617  [SOT-23-3]  86.32 19.1 160 bottom
TMR63  TMR2617  [SOT-23-3]  104.2 12.55 160 bottom
TMR64  TMR2617  [SOT-23-3]  122.5 7.3 160 bottom
TMR65  TMR2617  [SOT-23-3]  148.35 23.54 180 bottom
TMR66  TMR2617  [SOT-23-3]  174.2 7.3 200 bottom
TMR67  TMR2617  [SOT-23-3]  192.5 12.55 200 bottom
TMR68  TMR2617  [SOT-23-3]  210.45 19.1 200 bottom
TMR69  TMR2617  [SOT-23-3]  233.85 23.54 180 bottom
TMR70  TMR2617  [SOT-23-3]  252.85 23.54 180 bottom
TMR71  TMR2617  [SOT-23-3]  271.85 23.54 180 bottom
TMR72  TMR2617  [SOT-23-3]  290.85 23.54 180 bottom
Y1  32.768 kHz  [Crystal_SMD_2012-2Pin_2.0x1.2mm]  173.6 101.54 90 top
